# Altium PCB PCB_Banco.PcbDoc (part 1 of 2) (continued)
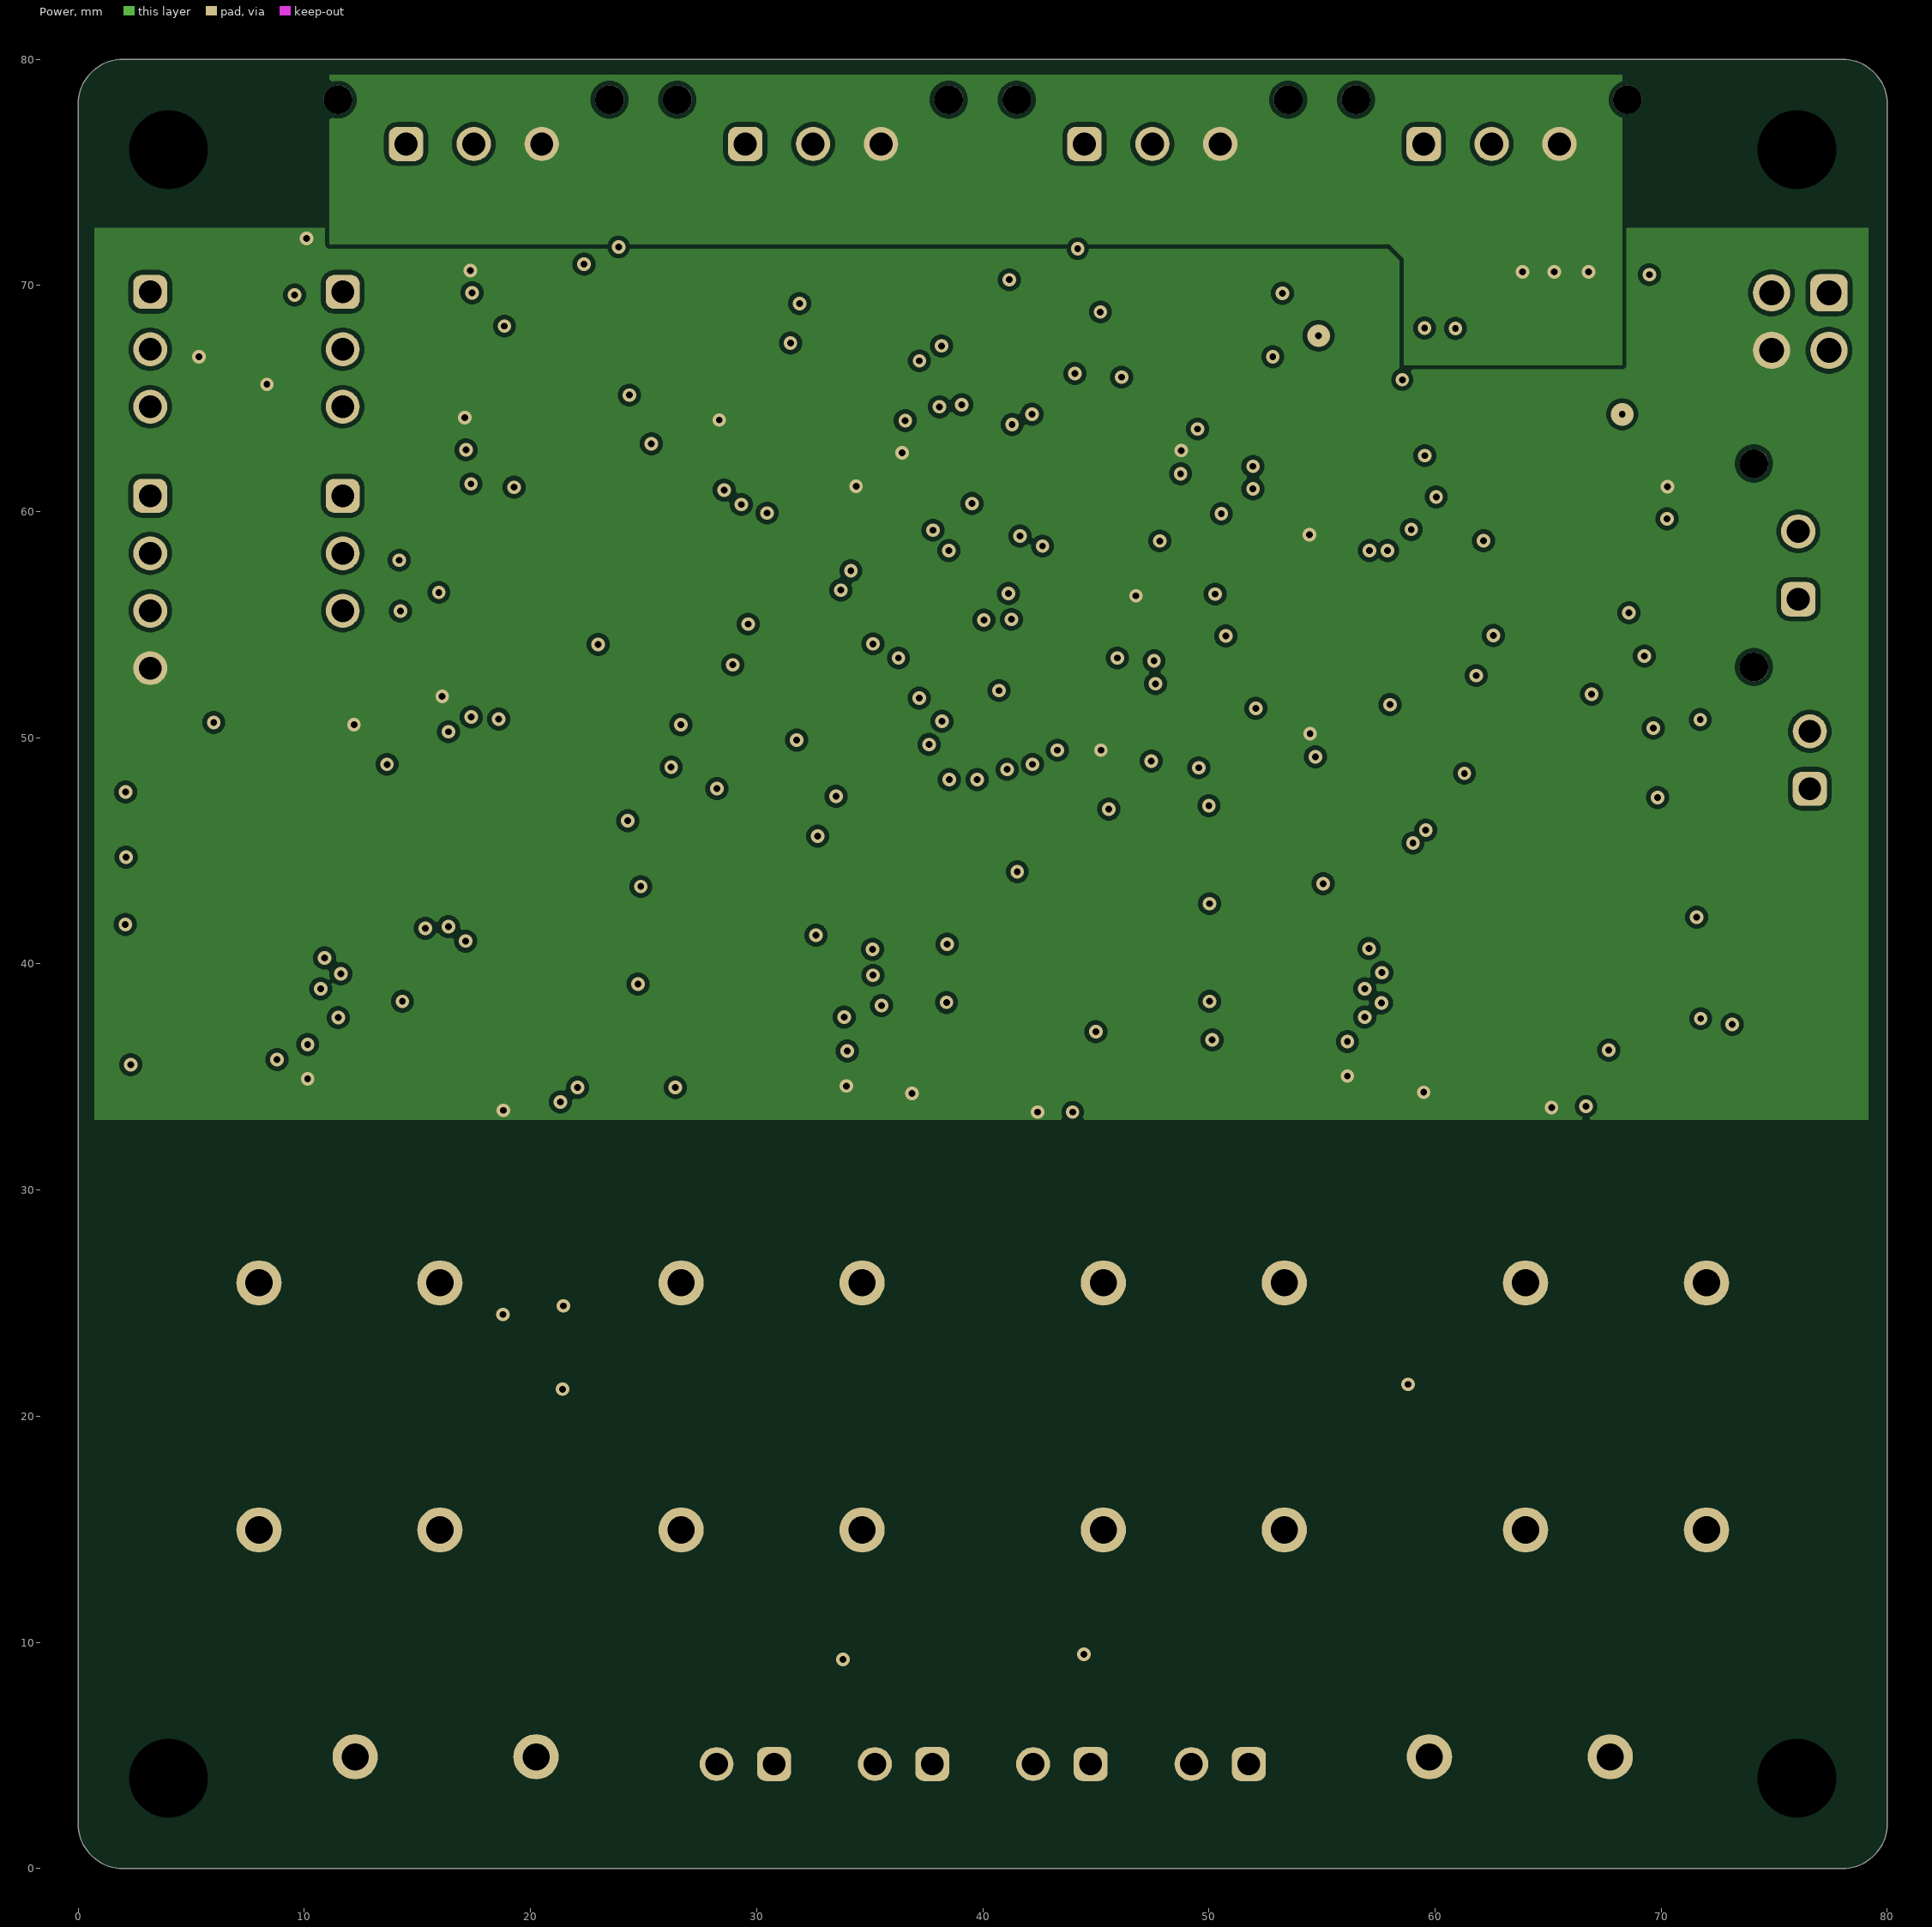
[diagram p3: Power]
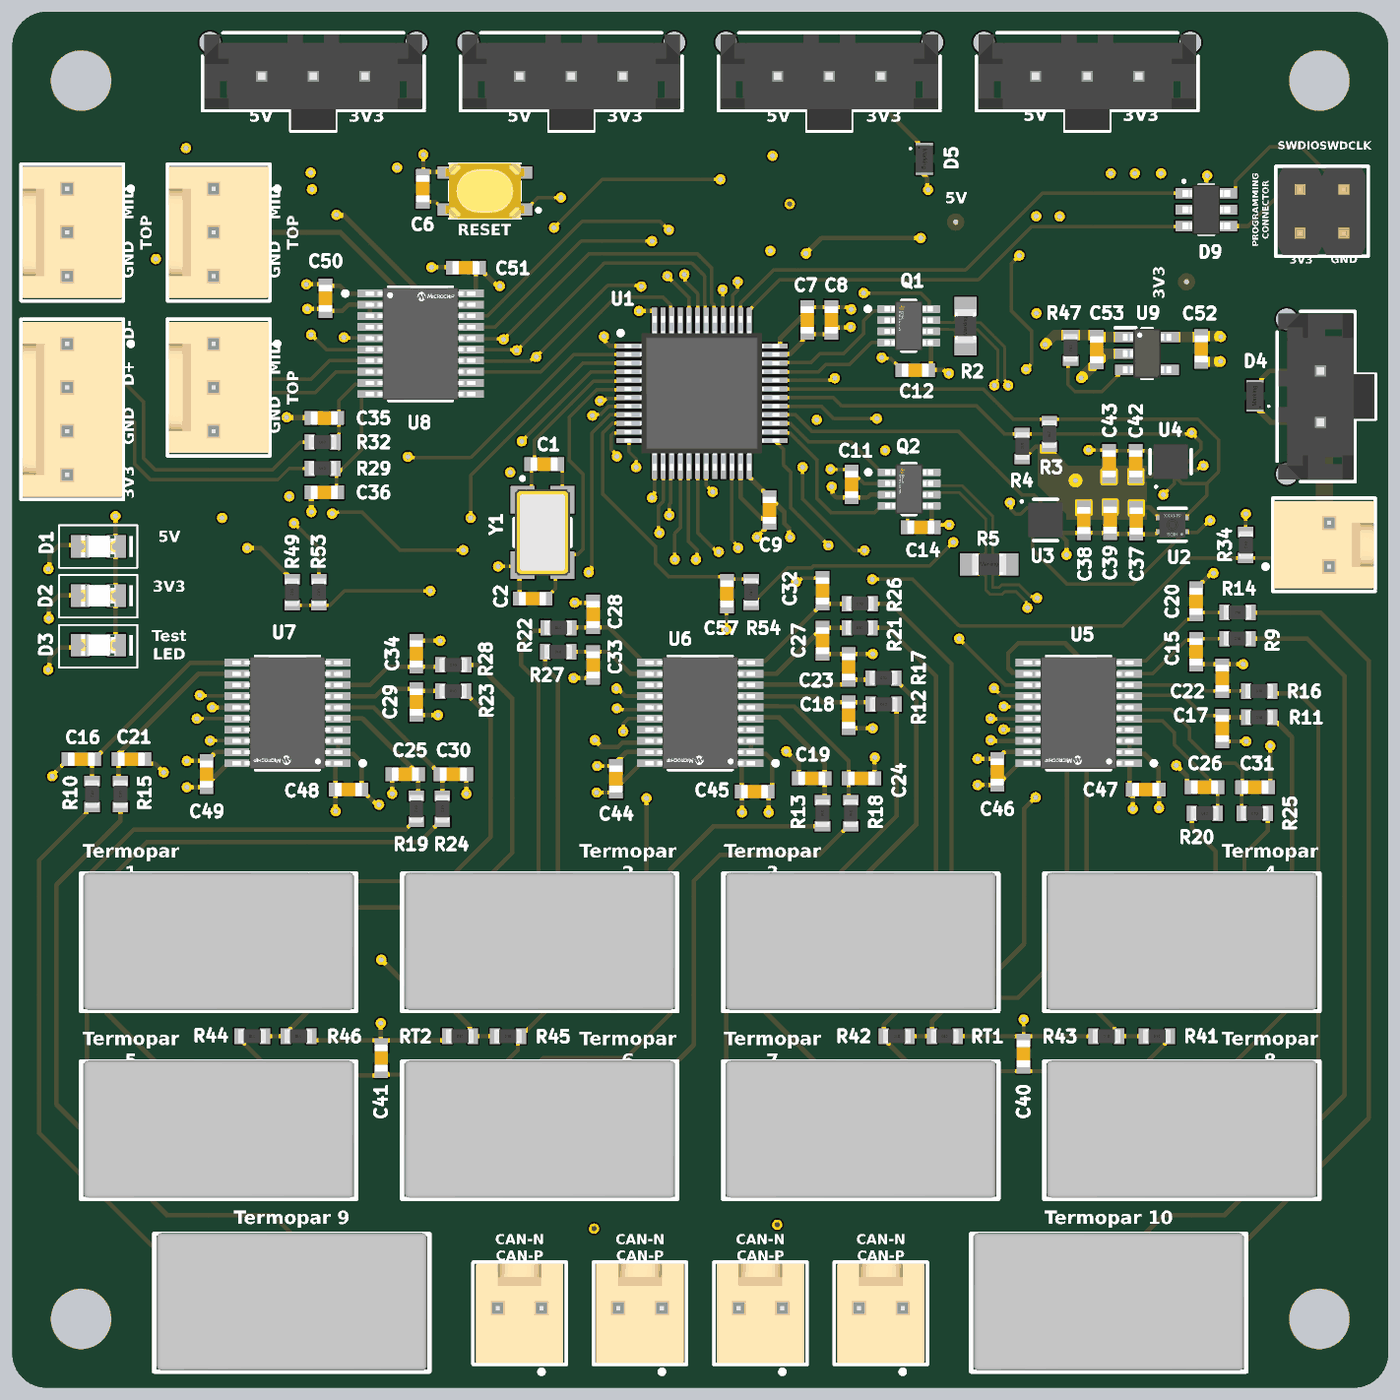
[diagram p5: 3D render of the assembled board from above, using the file's embedded part models]
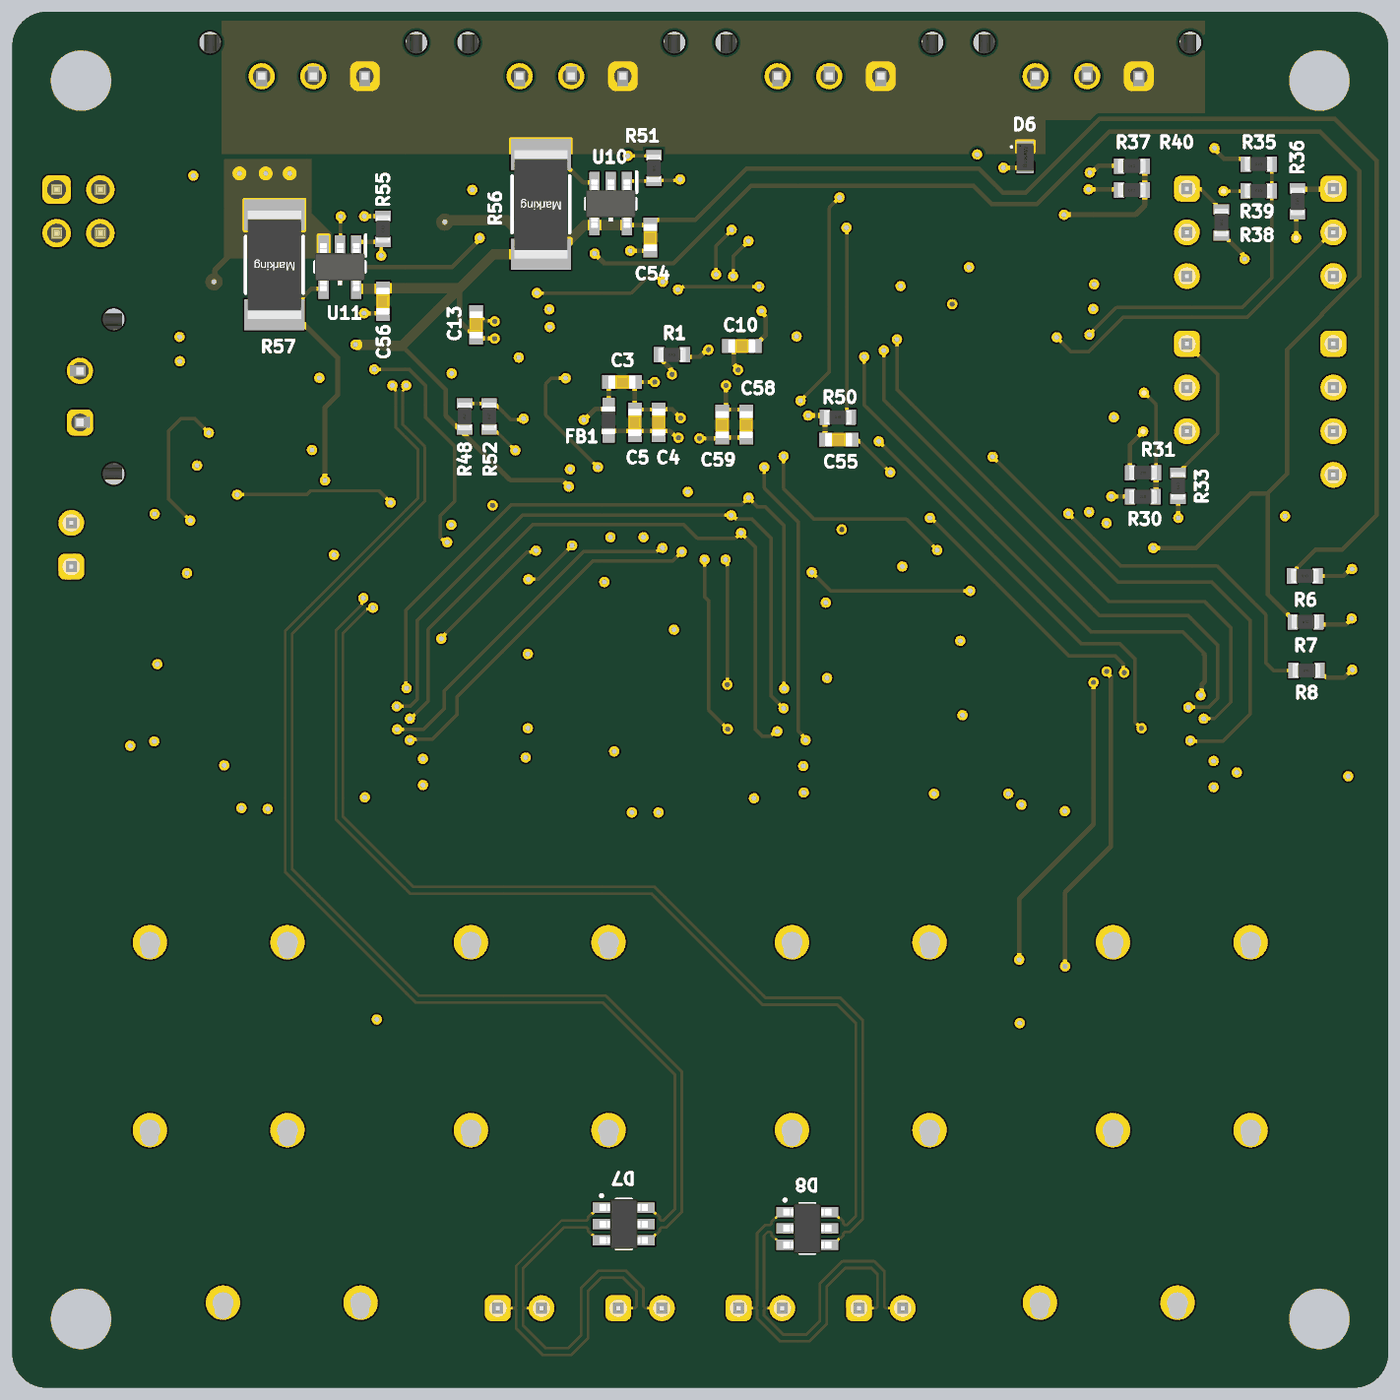
[diagram p6: 3D render of the assembled board from below, using the file's embedded part models]

## Layer stack, top to bottom
Top Solder: solder mask 0.0102, Solder Resist, Dk 3.5
Top Layer: signal copper 0.018
Dielectric 2: prepreg 0.12, PP-006, Dk 4.1
GND: signal copper 0.018
Dielectric 1: prepreg 1.2, PP-001, Dk 3.9
Power: signal copper 0.018
Dielectric 3: prepreg 0.12, PP-006, Dk 4.1
Bottom Layer: signal copper 0.018
Bottom Solder: solder mask 0.0102, Solder Resist, Dk 3.5

## Board outline
0,2 0,78 cw(c2,78) 2,80 78,80 cw(c78,78) 80,78 80,2 cw(c78,2) 78,0 2,0 cw(c2,2)

## Design rules (kind name [scope] priority, off if disabled: settings)
Clearance [All] p1: gap=0.2 ignorepadtopadclearanceinfootprint=TRUE except(0.24: SMDPad-SMDPad)
DiffPairsRouting DiffPairsRouting_1 [(InNet('CAN1_P') OR InNet('CAN1C_N') OR InNet('CAN2_N') OR InNet('CAN2C_P'))] p1: maxlimit=0.24 minlimit=0.127 mostfreqgap=0.24 toplayer_mingap=0.24 toplayer_minwidth=0.16 toplayer_maxwidth=0.16 toplayer_prefwidth=0.16 midlayer1_maxgap=0.127 midlayer1_prefgap=0.127 midlayer1_minwidth=0.052 midlayer1_maxwidth=0.052 midlayer1_prefwidth=0.052 midlayer2_maxgap=0.127 midlayer2_prefgap=0.127 midlayer2_minwidth=0.052 midlayer2_maxwidth=0.052 midlayer2_prefwidth=0.052 bottomlayer_mingap=0.24 bottomlayer_minwidth=0.16 bottomlayer_maxwidth=0.16 bottomlayer_prefwidth=0.16 impedanceprofiledriven=TRUE impedanceprofileid={D94A1CF3-586B-4D4F-89C7-AE99D21FE41D} impedanceprofilevalue=120.000000 maxuncoupledlength=12.7
DiffPairsRouting [All] p2: maxlimit=0.24 minlimit=0.127 mostfreqgap=0.24 toplayer_mingap=0.24 toplayer_minwidth=0.16 toplayer_maxwidth=0.16 toplayer_prefwidth=0.16 midlayer1_maxgap=0.127 midlayer1_prefgap=0.127 midlayer1_minwidth=0.052 midlayer1_maxwidth=0.052 midlayer1_prefwidth=0.052 midlayer2_maxgap=0.127 midlayer2_prefgap=0.127 midlayer2_minwidth=0.052 midlayer2_maxwidth=0.052 midlayer2_prefwidth=0.052 bottomlayer_mingap=0.24 bottomlayer_minwidth=0.16 bottomlayer_maxwidth=0.16 bottomlayer_prefwidth=0.16 impedanceprofiledriven=TRUE impedanceprofileid={D94A1CF3-586B-4D4F-89C7-AE99D21FE41D} impedanceprofilevalue=120.000000 maxuncoupledlength=12.7
HoleSize [All] p1: absolutevalues=TRUE maxlimit=3.5 minlimit=0.3 maxpercent=80.000 minpercent=20.000
HoleToHoleClearance [All] p1: gap=0.3 allowstackedmicrovias=TRUE
MinimumSolderMaskSliver [All] p1: minsoldermaskwidth=0.135
PlaneConnect [All] p1: planeconnectstyle=Direct reliefexpansion=0.508 reliefentries=4 reliefconductorwidth=0.254 reliefairgap=0.254
PolygonConnect [All] p1: connectstyle=Direct reliefconductorwidth=0.254 reliefentries=4 polygonreliefangle="90 Angle" airgapwidth=0.254
RoutingVias [All] p1: holewidth=0.3 width=0.6 viastyle="Through Hole" minholewidth=0.25 minwidth=0.55 maxholewidth=0.3 maxwidth=0.6
SilkToSilkClearance [All] p1: silktosilkclearance=0.1
SilkToSolderMaskClearance [IsPad] p1: minsilkscreentomaskgap=0.1 clearancetoexposedcopper=TRUE
SolderMaskExpansion [All] p1: expansion=0.102 istentingtop=FALSE
SupplyNets "Schematic Supply Nets_6" [InNet('3V3_Current+')] p1: voltage=0.000
SupplyNets "Schematic Supply Nets_5" [InNet('5V_Current+')] p2: voltage=0.000
SupplyNets "Schematic Supply Nets_4" [InNet('VDDA')] p3: voltage=0.000
SupplyNets "Schematic Supply Nets_3" [InNet('5V_Current-')] p4: voltage=0.000
SupplyNets "Schematic Supply Nets_2" [InNet('3V3')] p5: voltage=0.000
SupplyNets "Schematic Supply Nets_1" [InNet('GND')] p6: voltage=0.000
SupplyNets "Schematic Supply Nets" [InNet('3V3_Current-')] p7: voltage=0.000
Width [All] p1: maxlimit=1 minlimit=0.15 preferedwidth=0.2
23 further rules are at their usual default settings.

## Classes and differential pairs
component class Connectors_General: 36.5 D7 D8 D9 P21 P22 P23 P24 P25
component class Sensors: C37 C38 C39 C40 C41 C42 C43 R41 R42 R43 R44 R45 R46 RT1 RT2 U2 U3 U4
component class "Sensing current": C54 C55 C56 C57 R48 R49 R50 R51 R52 R53 R54 R55 R56 R57 U10 U11
component class MCU: C1 C2 C3 C4 C5 C6 C7 C8 C9 C10 C11 C12 C13 C14 C58 C59 D1 D2 D3 FB1 Q1 Q2 R1 R2 R3 R4 R5 R6 R7 R8 SW1 U1 Y1
component class Connectors_ADC: 3 C15 C16 C17 C18 C19 C20 C21 C22 C23 C24 C25 C26 C27 C28 C29 C30 C31 C32 C33 C34 C35 C36 D4 D5 D6 P1 P2 P3 P4 P5 P6 P7 P8 P9 P10 P11 P12 P13 P14 P15 P16 P17 P18 P19 P20 R9 R10 R11 R12 R13 R14 R15 R16 R17 R18 R19 R20 R21 R22 R23 R24 R25 R26 R27 R28 R29 R30 R31 R32 R33 R34 R35 R36 R37 R38 R39 R40
component class ADCs: C44 C45 C46 C47 C48 C49 C50 C51 C52 C53 R47 U5 U6 U7 U8 U9
differential pair CAN1C: +CAN1C_P -CAN1C_N
differential pair CAN2C: +CAN2C_P -CAN2C_N
differential pair CAN1: +CAN1_P -CAN1_N
differential pair CAN2: +CAN2_P -CAN2_N

## Components (designator, comment, footprint, x,y, rotation, side; value= is the part's Value field where it differs from the comment)
C1 "885012006034" WCAP-CSGP_0603_L1.6W0.8H0.8_Reflow 30.925,53.7 r0 top value=22pF
C2 "885012006034" WCAP-CSGP_0603_L1.6W0.8H0.8_Reflow 30.25,45.875 r180 top value=22pF
C3 "885012206052" WCAP-CSGP_0603_L1.6W0.8H0.8_Reflow 44.55,58.475 r0 bottom value=1µF
C4 "885012206065" WCAP-CSGP_0603_L1.6W0.8H0.8_Reflow 42.408,56.136 r270 bottom value=10nF
C5 "885012206052" WCAP-CSGP_0603_L1.6W0.8H0.8_Reflow 43.805,56.124 r270 bottom value=1µF
C6 "885012206071" WCAP-CSGP_0603_L1.6W0.8H0.8_Reflow 23.866,69.713 r270 top value=100nF
C7 "885012106012" WCAP-CSGP_0603_L1.6W0.8H0.8_Reflow 46.223,62.084 r90 top value=4.7µF
C8 "885012206071" WCAP-CSGP_0603_L1.6W0.8H0.8_Reflow 47.62,62.084 r90 top value=100nF
C9 "885012206071" WCAP-CSGP_0603_L1.6W0.8H0.8_Reflow 44.025,51.025 r90 top value=100nF
C10 "885012206071" WCAP-CSGP_0603_L1.6W0.8H0.8_Reflow 37.582,60.569 r180 bottom value=100nF
C11 "885012206071" WCAP-CSGP_0603_L1.6W0.8H0.8_Reflow 48.8,52.525 r90 top value=100nF
C12 "885012206071" WCAP-CSGP_0603_L1.6W0.8H0.8_Reflow 52.5,59.175 r180 top value=100nF
C13 "885012206071" WCAP-CSGP_0603_L1.6W0.8H0.8_Reflow 53.025,61.8 r90 bottom value=100nF
C14 "885012206071" WCAP-CSGP_0603_L1.6W0.8H0.8_Reflow 52.825,50.025 r180 top value=100nF
C15 "885012206071" WCAP-CSGP_0603_L1.6W0.8H0.8_Reflow 68.824,42.789 r270 top value=100nF
C16 "885012206071" WCAP-CSGP_0603_L1.6W0.8H0.8_Reflow 4.017,36.546 r180 top value=100nF
C17 "885012206071" WCAP-CSGP_0603_L1.6W0.8H0.8_Reflow 70.348,38.332 r270 top value=100nF
C18 "885012206071" WCAP-CSGP_0603_L1.6W0.8H0.8_Reflow 48.631,39.106 r270 top value=100nF
C19 "885012206071" WCAP-CSGP_0603_L1.6W0.8H0.8_Reflow 46.484,35.423 r180 top value=100nF
C20 "885012206071" WCAP-CSGP_0603_L1.6W0.8H0.8_Reflow 68.824,45.722 r270 top value=100nF
C21 "885012206071" WCAP-CSGP_0603_L1.6W0.8H0.8_Reflow 6.926,36.546 r180 top value=100nF
C22 "885012206071" WCAP-CSGP_0603_L1.6W0.8H0.8_Reflow 70.348,41.253 r270 top value=100nF
C23 "885012206071" WCAP-CSGP_0603_L1.6W0.8H0.8_Reflow 48.631,41.912 r270 top value=100nF
C24 "885012206071" WCAP-CSGP_0603_L1.6W0.8H0.8_Reflow 49.381,35.423 r180 top value=100nF
C25 "885012206071" WCAP-CSGP_0603_L1.6W0.8H0.8_Reflow 22.85,35.677 r180 top value=100nF
C26 "885012206071" WCAP-CSGP_0603_L1.6W0.8H0.8_Reflow 69.32,34.915 r180 top value=100nF
C27 "885012206071" WCAP-CSGP_0603_L1.6W0.8H0.8_Reflow 47.107,43.436 r270 top value=100nF
C28 "885012206071" WCAP-CSGP_0603_L1.6W0.8H0.8_Reflow 33.772,44.96 r90 top value=100nF
C29 "885012206071" WCAP-CSGP_0603_L1.6W0.8H0.8_Reflow 23.485,39.868 r270 top value=100nF
C30 "885012206071" WCAP-CSGP_0603_L1.6W0.8H0.8_Reflow 25.644,35.677 r180 top value=100nF
C31 "885012206071" WCAP-CSGP_0603_L1.6W0.8H0.8_Reflow 72.253,34.915 r180 top value=100nF
C32 "885012206071" WCAP-CSGP_0603_L1.6W0.8H0.8_Reflow 47.107,46.333 r270 top value=100nF
C33 "885012206071" WCAP-CSGP_0603_L1.6W0.8H0.8_Reflow 33.772,42.027 r90 top value=100nF
C34 "885012206071" WCAP-CSGP_0603_L1.6W0.8H0.8_Reflow 23.485,42.674 r270 top value=100nF
C35 "885012206071" WCAP-CSGP_0603_L1.6W0.8H0.8_Reflow 18.139,56.378 r180 top value=100nF
C36 "885012206071" WCAP-CSGP_0603_L1.6W0.8H0.8_Reflow 18.139,52.06 r180 top value=100nF
C37 "885012206071" WCAP-CSGP_0603_L1.6W0.8H0.8_Reflow 65.358,50.4 r90 top value=100nF
C38 "885012106012" WCAP-CSGP_0603_L1.6W0.8H0.8_Reflow 62.3,50.425 r270 top value=4.7µF
C39 "885012206071" WCAP-CSGP_0603_L1.6W0.8H0.8_Reflow 63.829,50.45 r90 top value=100nF
C40 "885012206020" WCAP-CSGP_0603_L1.6W0.8H0.8_Reflow 58.791,19.421 r270 top value=100nF
C41 "885012206020" WCAP-CSGP_0603_L1.6W0.8H0.8_Reflow 21.453,19.167 r270 top value=100nF
C42 "885012106012" WCAP-CSGP_0603_L1.6W0.8H0.8_Reflow 65.325,53.725 r270 top value=4.7µF
C43 "885012206071" WCAP-CSGP_0603_L1.6W0.8H0.8_Reflow 63.771,53.725 r90 top value=100nF
C44 "885012206052" WCAP-CSGP_0603_L1.6W0.8H0.8_Reflow 35.1,35.4 r270 top value=1µF
C45 "885012206071" WCAP-CSGP_0603_L1.6W0.8H0.8_Reflow 43.158,34.661 r0 top value=100nF
C46 "885012206071" WCAP-CSGP_0603_L1.6W0.8H0.8_Reflow 57.267,35.804 r270 top value=100nF
C47 "885012206052" WCAP-CSGP_0603_L1.6W0.8H0.8_Reflow 65.903,34.788 r0 top value=1µF
C48 "885012206071" WCAP-CSGP_0603_L1.6W0.8H0.8_Reflow 19.548,34.788 r180 top value=100nF
C49 "885012206052" WCAP-CSGP_0603_L1.6W0.8H0.8_Reflow 11.293,35.677 r90 top value=1µF
C50 "885012206071" WCAP-CSGP_0603_L1.6W0.8H0.8_Reflow 18.21,63.344 r90 top value=100nF
C51 "885012206052" WCAP-CSGP_0603_L1.6W0.8H0.8_Reflow 26.375,65.125 r180 top value=1µF
C52 "885012206052" WCAP-CSGP_0603_L1.6W0.8H0.8_Reflow 69.135,60.399 r90 top value=1µF
C53 "885012206052" WCAP-CSGP_0603_L1.6W0.8H0.8_Reflow 63.057,60.356 r90 top value=1µF
C54 "885012206071" WCAP-CSGP_0603_L1.6W0.8H0.8_Reflow 42.9,66.875 r90 bottom value=100nF
C55 "885012206062" WCAP-CSGP_0603_L1.6W0.8H0.8_Reflow 31.95,55.125 r0 bottom value=3.3nF
C56 "885012206071" WCAP-CSGP_0603_L1.6W0.8H0.8_Reflow 58.446,63.177 r90 bottom value=100nF
C57 "885012206062" WCAP-CSGP_0603_L1.6W0.8H0.8_Reflow 41.55,46.162 r90 top value=3.3nF
C58 "885012206052" WCAP-CSGP_0603_L1.6W0.8H0.8_Reflow 37.328,55.997 r270 bottom value=1µF
C59 "885012206071" WCAP-CSGP_0603_L1.6W0.8H0.8_Reflow 38.725,55.997 r270 bottom value=100nF
D1 "150080GS75000" WL-SMCW_0805_150080xx75000 5,48.913 r180 top
D2 "150080GS75000" WL-SMCW_0805_150080xx75000 5,46.05 r180 top
D3 "150080YS75000" WL-SMCW_0805_150080xx75000 5,43.175 r180 top
D4 "824045810" WE-TVS_DFN1610-2L 72.253,57.67 r90 top
D5 "824032813" WE-TVS_DFN1610-2L 53.025,71.45 r270 top
D6 "824032815" WE-TVS_DFN1610-2L 21.1,71.55 r270 bottom
D7 "82400102" WE-TVS_SOT23-6L 44.44,9.515 r270 bottom
D8 "82400102" WE-TVS_SOT23-6L 33.772,9.261 r270 bottom
D9 "82400102" WE-TVS_SOT23-6L 69.421,68.493 r270 top
FB1 "742792625" WE-CBF_0603_L1.6W0.8H0.8_HC 45.329,56.251 r270 bottom
P1 "Conector Termopar" "New footprint 1" 63.75,4.943 r90 top
P2 "Conector Termopar" "New footprint 1" 16.25,4.943 r90 top
P3 "Conector Termopar" "New footprint 1" 68,14.976 r90 top
P4 "Conector Termopar" "New footprint 1" 49.333,14.976 r90 top
P5 "Conector Termopar" "New footprint 1" 30.667,14.976 r90 top
P6 "Conector Termopar" "New footprint 1" 12,14.976 r90 top
P7 "Conector Termopar" "New footprint 1" 68,25.898 r90 top
P8 "Conector Termopar" "New footprint 1" 49.333,25.898 r90 top
P9 "Conector Termopar" "New footprint 1" 30.667,25.898 r90 top
P10 "Conector Termopar" "New footprint 1" 12,25.898 r90 top
P11 "66200311122" 66200311122 32.5,76.51 r180 top
P12 "61900411121" 61900411121 3.489,56.886 r90 top
P13 "61900311121" 61900311121 12,58.156 r90 top
P14 "66200311122" 66200311122 17.5,76.51 r180 top
P15 "66200311122" 66200311122 47.5,76.51 r180 top
P16 "61900211121" 61900211121 76.271,49.012 r270 top
P17 "66200211122" 66200211122 75.808,57.624 r270 top
P18 "66200311122" 66200311122 62.5,76.51 r180 top
P19 "61900311121" 61900311121 3.489,67.173 r90 top
P20 "61900311121" 61900311121 12,67.173 r90 top
P21 "61900211121" 61900211121 43.5,4.325 r0 top
P22 "61900211121" 61900211121 29.5,4.325 r0 top
P23 "61900211121" 61900211121 50.5,4.325 r0 top
P24 "61900211121" 61900211121 36.5,4.325 r0 top
P25 "61300421121" 61300421121 76.15,68.4 r180 top
Q1 "TCAN1044AVDDFRQ1" FP-DDF0008A-MFG 52.12,61.746 r0 top
Q2 "TCAN1044AVDDFRQ1" FP-DDF0008A-MFG 52.145,52.25 r0 top
R1 "560112116005" WRIS-RSKS_0603_Reflow 41.646,60.061 r180 bottom value=10k
R2 "RCS0805120RFKEA" RCS0805120RFKEA-Footprint-1 55.425,61.725 r90 top value=120
R3 "560112116070" WRIS-RSKS_0603_Reflow 60.3,55.45 r270 top value=1.2k
R4 "560112116070" WRIS-RSKS_0603_Reflow 58.725,54.75 r270 top value=1.2k
R5 "RCS0805120RFKEA" RCS0805120RFKEA-Footprint-1 56.8,47.875 r0 top value=120
R6 "560112116014" WRIS-RSKS_0603_Reflow 4.85,47.2 r180 bottom value=1k
R7 "560112116009" WRIS-RSKS_0603_Reflow 4.8,44.525 r180 bottom value=100
R8 "560112116038" WRIS-RSKS_0603_Reflow 4.75,41.7 r180 bottom value=1.5k
R9 "560112116014" WRIS-RSKS_0603_Reflow 71.237,43.551 r0 top value=1k
R10 "560112116014" WRIS-RSKS_0603_Reflow 4.64,34.514 r270 top value=1k
R11 "560112116014" WRIS-RSKS_0603_Reflow 72.495,38.979 r0 top value=1k
R12 "560112116014" WRIS-RSKS_0603_Reflow 50.663,39.741 r0 top value=1k
R13 "560112116014" WRIS-RSKS_0603_Reflow 47.107,33.403 r270 top value=1k
R14 "560112116014" WRIS-RSKS_0603_Reflow 71.237,45.075 r0 top value=1k
R15 "560112116014" WRIS-RSKS_0603_Reflow 6.291,34.514 r270 top value=1k
R16 "560112116014" WRIS-RSKS_0603_Reflow 72.495,40.503 r0 top value=1k
R17 "560112116014" WRIS-RSKS_0603_Reflow 50.651,41.265 r0 top value=1k
R18 "560112116014" WRIS-RSKS_0603_Reflow 48.758,33.403 r270 top value=1k
R19 "560112116014" WRIS-RSKS_0603_Reflow 23.485,33.657 r270 top value=1k
R20 "560112116014" WRIS-RSKS_0603_Reflow 69.332,33.391 r180 top value=1k
R21 "560112116014" WRIS-RSKS_0603_Reflow 49.266,44.186 r0 top value=1k